# Altium PCB RTM_4SFP_3QSFP.PcbDoc (part 4 of 4) (continued)
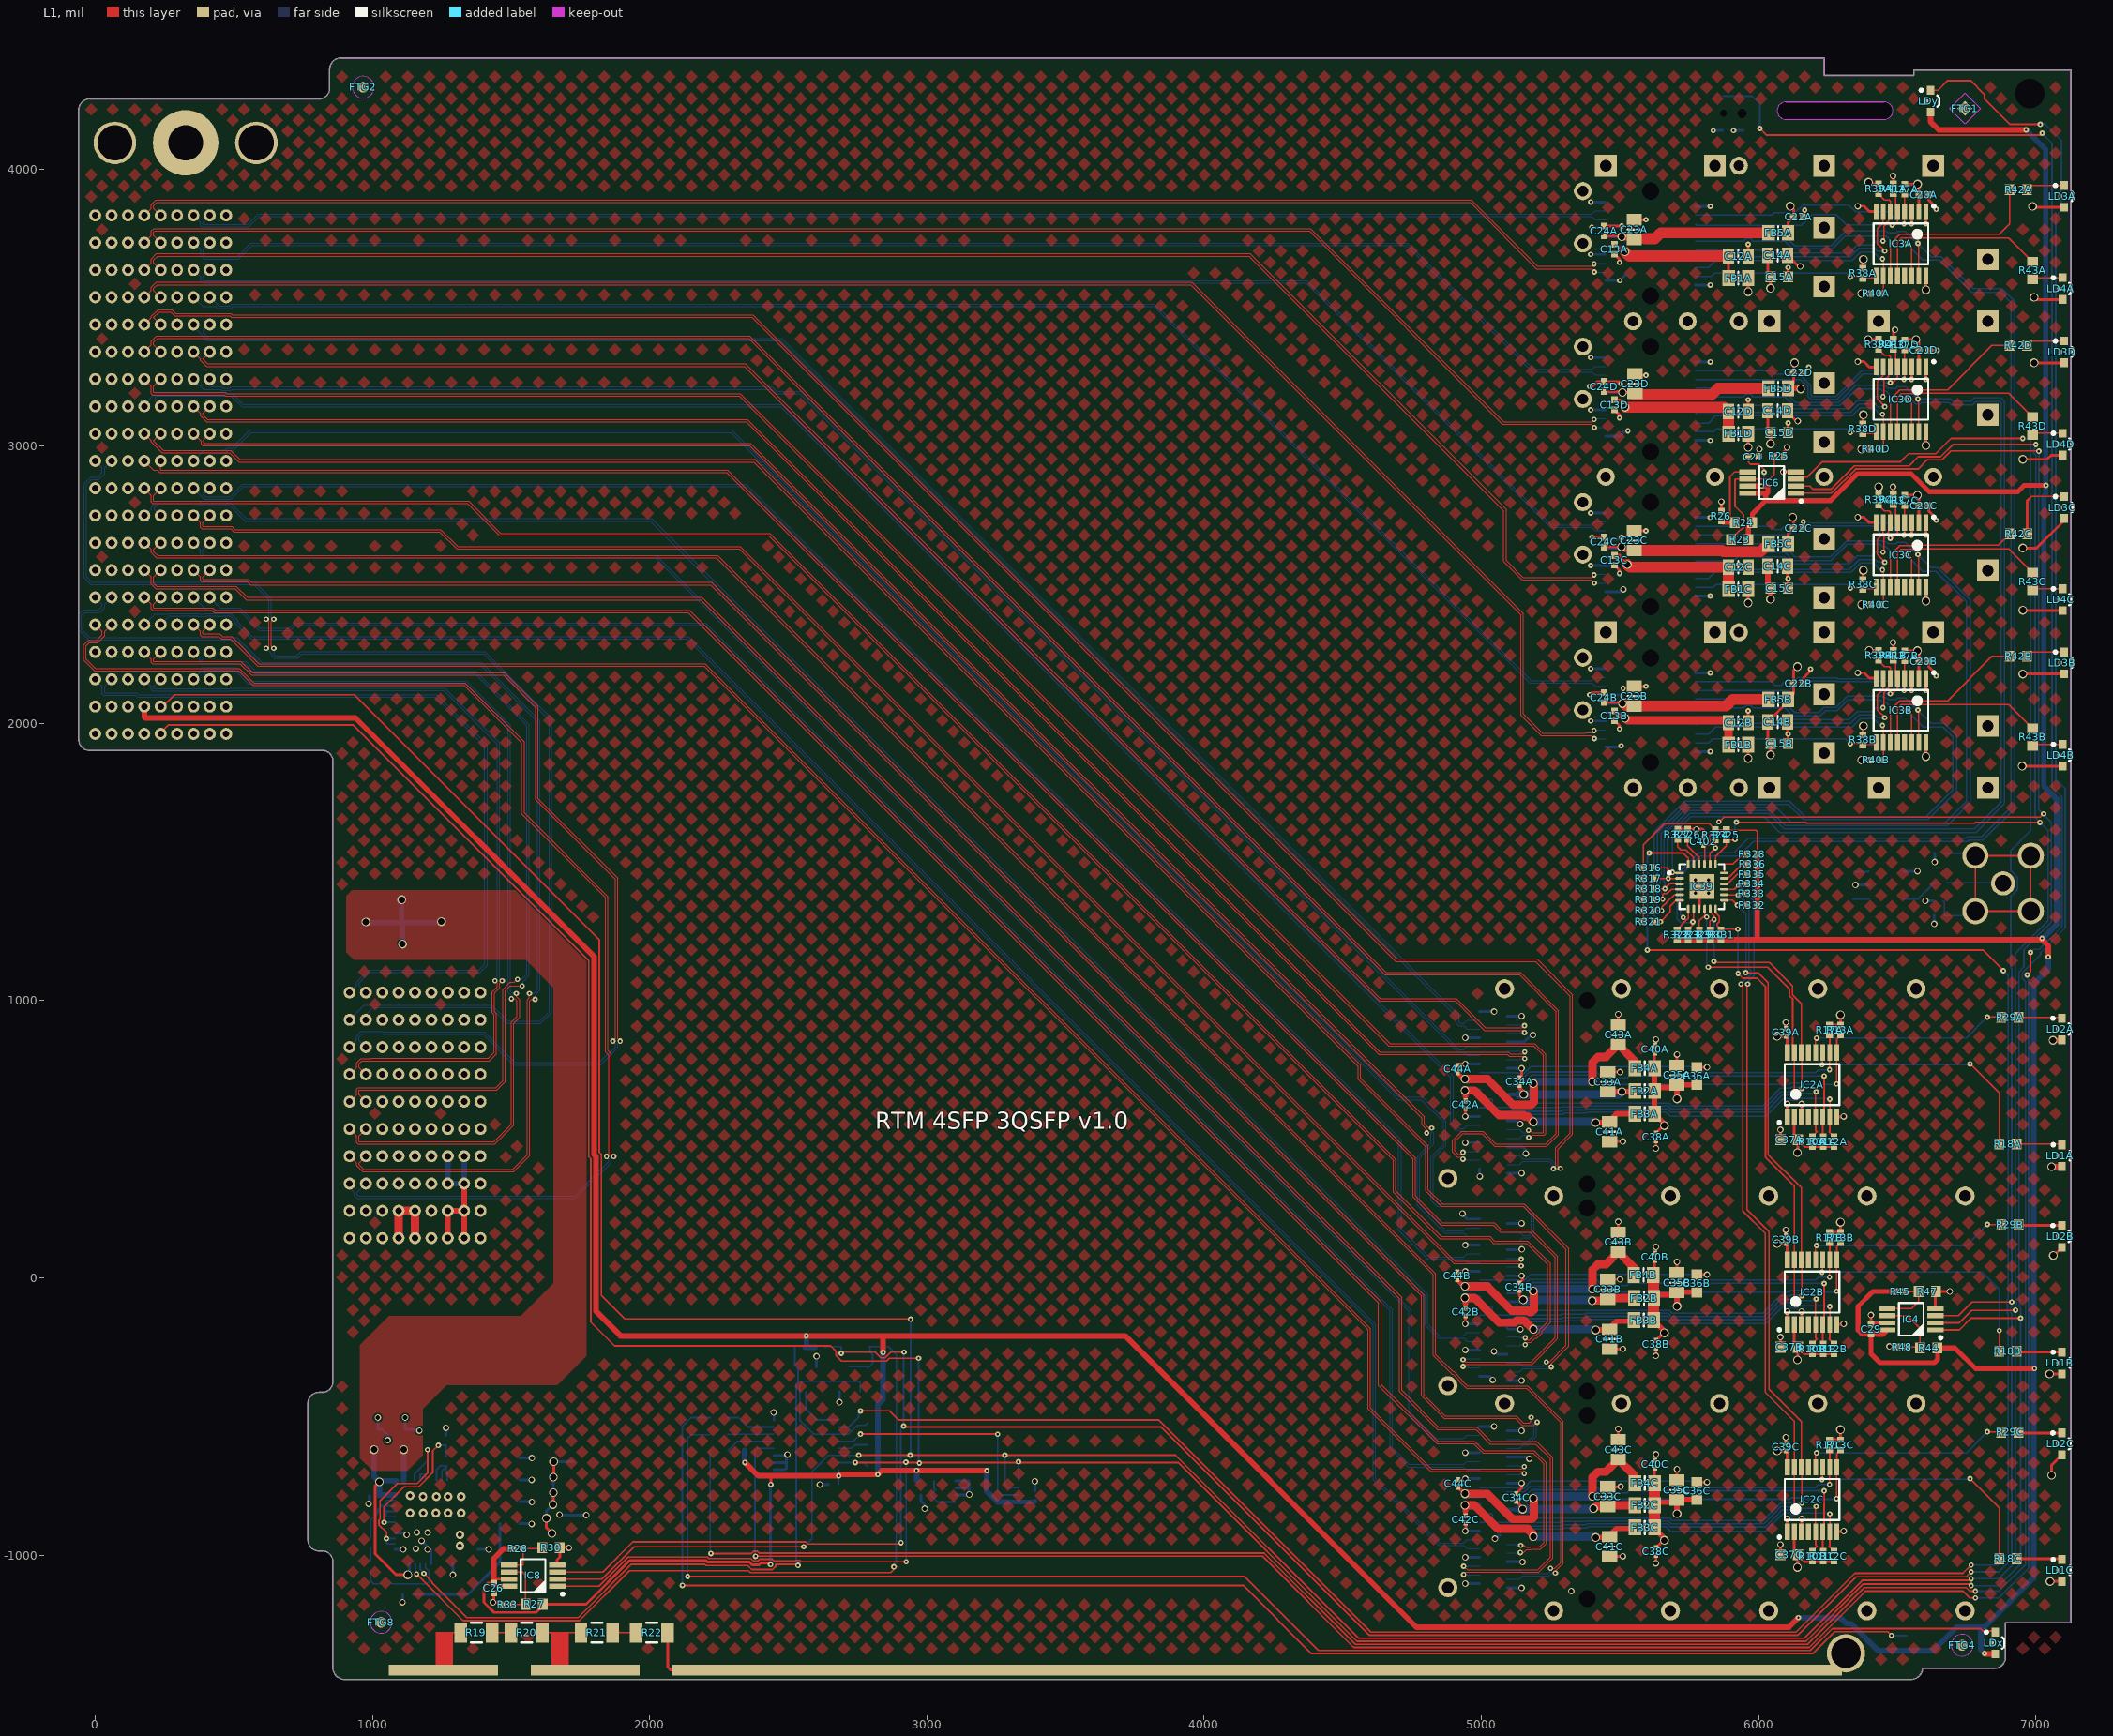
[diagram p0: L1 view]
## Nets (pads, with @x,y where several pads share a name; then routed paths per layer and width w, separated by ;. In a path a pad name is that pad's centre, name@x,y a point inside that pad or via, vN(x,y) a via of type N, cw(c..) or ccw(c..) an arc to the next point about the centre after c; other vN are vias at no path point) (continued)
  L1 w40: C23C.1@5551.18,2624.01 5867.73,2624.01 5872.43,2619.31 6002.27,2619.31 6002.27,2619.49 6007.28,2619.49 FB5C.2@6035.43,2647.64
  L4 w10: CON1C.16@5448.83,2632.87 v3@5504.63,2632.87 ; v3@5504.63,2636.81 v3(5505.54,2636.81)
SFP_VCCTD: C23D.1 C24D.1 CON1D.16 FB5D.2 | length 668.2
  L1 w10: C24D.1@5442.91,3197.83 5504.97,3197.83 v3(5509,3193.8) 5549.72,3193.8 C23D.1@5553.57,3189.96
  L1 w40: C23D.1@5551.18,3185.04 5553.57,3185.04 5829.84,3185.04 5853.46,3208.66 FB5D.2@6035.43,3208.66
  L4 w10: CON1D.16@5448.83,3193.9 5448.92,3193.8 v3(5509,3193.8)
SMA_IO: C17.1 J3.1 | length 192.8
  L4 w6.64: C17.1@6678.54,1425.39 6868,1425.39 J3.1@6870.36,1423.03
TXDISABLEA: CON1A.3 IC3A.5 R41A.2 | length 877.5
  L1 w5: v1@6480.05,3798.06 6481.56,3798.06 6483.85,3800.35 6492.28,3800.35 6500.99,3809.06 IC3A.5@6500.99,3846.46 6494.63,3852.82 6494.63,3902.06 R41A.2@6486.17,3910.51
  L4 w5: CON1A.3@5771.66,3802.17 5777.07,3796.75 6153.83,3796.75 6193.34,3836.26 6279.12,3836.26 6317.31,3798.06 v1(6481.7,3798.06)
TXDISABLEB: CON1B.3 IC3B.5 R41B.2 | length 889
  L1 w5: v1@6477.36,2105.41 6476.81,2105.41 v1(6475.14,2107.08) ; R41B.2@6486.17,2227.44 6494.63,2218.99 6494.63,2169.74 IC3B.5@6500.99,2163.38 6500.99,2125.99 6483.58,2108.58 6475.14,2108.58 v1@6473.64,2108.58 ; v1@6473.64,2108.58 v1(6475.14,2107.08) ; v1@6473.64,2108.58 6472.14,2107.08 v1(6475.14,2107.08)
  L4 w5: CON1B.3@5771.66,2119.09 6109.75,2119.09 6143.84,2153.18 6279.12,2153.18 6281.71,2150.59 6412.54,2150.59 6456.05,2107.08 v1(6475.14,2107.08)
TXDISABLEC: CON1C.3 IC3C.5 R41C.2 | length 888.7
  L1 w5: v1@6477.36,2666.43 6476.81,2666.43 v1(6475.14,2668.1) ; R41C.2@6486.17,2788.46 6494.63,2780.01 6494.63,2730.77 IC3C.5@6500.99,2724.41 6500.99,2687.01 6483.58,2669.6 6475.14,2669.6 v1@6473.64,2669.6 ; v1@6473.64,2669.6 v1(6475.14,2668.1) ; v1@6473.64,2669.6 6472.14,2668.1 v1(6475.14,2668.1)
  L4 w5: CON1C.3@5771.66,2680.12 6109.75,2680.12 6129.96,2700.33 6149,2700.33 6149.67,2699.66 6180.2,2699.66 6193.75,2713.21 6410.94,2713.21 6456.05,2668.1 v1(6475.14,2668.1)
TXDISABLED: CON1D.3 IC3D.5 R41D.2 | length 958
  L1 w5: v1@6477.36,3227.46 6476.81,3227.46 v1(6475.14,3229.12) ; R41D.2@6486.17,3349.49 6494.63,3341.04 6494.63,3291.79 IC3D.5@6500.99,3285.43 6500.99,3248.03 6483.58,3230.63 6475.14,3230.62 v1@6473.64,3230.62 ; v1@6473.64,3230.62 v1(6475.14,3229.12) ; v1@6473.64,3230.62 6472.14,3229.12 v1(6475.14,3229.12)
  L4 w5: CON1D.3@5771.66,3241.14 6150.73,3241.14 6177.36,3214.52 6177.36,3179.92 6188.78,3168.49 6283.68,3168.49 6376.54,3261.36 6423.82,3261.36 6456.05,3229.12 v1(6475.14,3229.12)
TXFAULTA: CON1A.2 IC3A.4 R37A.1 | length 905
  L1 w5: v1(6524.61,3802.09) 6526.58,3804.05 IC3A.4@6526.58,3846.46 6526.58,3907.36 R37A.1@6527.52,3908.31
  L4 w5: CON1A.2@5771.66,3833.66 6047.28,3833.66 6056.86,3843.25 6103.82,3843.25 6105.32,3841.75 6130.53,3841.75 6158.97,3870.19 6325.06,3870.19 6349.99,3845.26 6467.88,3845.26 6511.05,3802.09 v1(6524.61,3802.09)
TXFAULTB: CON1B.2 IC3B.4 R37B.1 | length 895.3
  L1 w5: v1(6524.61,2119.01) 6526.58,2120.98 IC3B.4@6526.58,2163.38 6526.58,2224.29 R37B.1@6527.52,2225.23
  L4 w5: CON1B.2@5771.66,2150.59 6047.28,2150.59 6060.05,2137.82 6081.69,2137.82 6096.05,2152.18 6127.28,2152.18 6139.28,2164.18 6283.68,2164.18 6286.27,2161.59 6417.1,2161.59 6426.5,2152.18 6477.88,2152.18 6511.05,2119.01 v1(6524.61,2119.01)
TXFAULTC: CON1C.2 IC3C.4 R37C.1 | length 896.6
  L1 w5: v1(6524.61,2680.04) 6526.58,2682.01 IC3C.4@6526.58,2724.41 6526.58,2785.32 R37C.1@6527.52,2786.26
  L4 w5: CON1C.2@5771.66,2711.61 6047.28,2711.61 6060.05,2698.84 6081.69,2698.84 6096.05,2713.21 6150.27,2713.21 6153.82,2709.66 6168.18,2709.66 6181.73,2723.21 6467.88,2723.21 6511.05,2680.04 v1(6524.61,2680.04)
TXFAULTD: CON1D.2 IC3D.4 R37D.1 | length 971.9
  L1 w5: v1(6524.61,3241.06) 6526.58,3243.03 IC3D.4@6526.58,3285.43 6526.58,3346.34 R37D.1@6527.52,3347.28
  L4 w5: CON1D.2@5771.66,3272.64 6047.28,3272.64 6060.05,3259.87 6147.01,3259.87 6188.36,3218.52 6188.36,3184.47 6193.34,3179.49 6279.12,3179.49 6373.86,3274.23 6477.88,3274.23 6511.05,3241.06 v1(6524.61,3241.06)
pads on no net: CON1A.MTG1 CON1A.MTG2 CON1B.MTG1 CON1B.MTG2 CON1C.MTG1 CON1C.MTG2 CON1D.MTG1 CON1D.MTG2 FTG1.1 FTG2.FTG2 FTG3.1 FTG4.FTG2 FTG5.1 FTG6.FTG2 FTG7.1 FTG8.FTG2 IC1.23 IC1.24 IC1.25 IC1.27 IC1.28 IC1.29 IC1.30 IC1.32 IC1.33 IC1.34 IC1.40 IC1.41 IC2A.4 IC2A.13 IC2B.4 IC2B.13 IC2C.4 IC2C.13 IC3A.13 IC3B.13 IC3C.13 IC3D.13 J2.A4 J2.B4 J2.E1 J2.F2 J4.A7 J4.A8 J4.B7 J5A.MTG1 J5A.MTG2 J5B.MTG1 J5B.MTG2 J5C.MTG1 J5C.MTG2 J8.A9 J8.A10 J8.B9 J8.B10 J8.C1 J8.C2 J8.C3 J8.C4 J8.C5 J8.C6 J8.C7 J8.C8 J8.D1 J8.D2 J8.D3 J8.D4 J8.D5 J8.D6 J8.D7 J8.D8 J8.E1 J8.E2 J8.E3 J8.E4 J8.E5 J8.E6 J8.F1 J8.F2 J8.F3 J8.F4 J8.F5 J8.F6 LD1A.3 LD1B.3 LD1C.3 LD2A.3 LD2B.3 LD2C.3 LD3A.3 LD3B.3 LD3C.3 LD3D.3 LD4A.3 LD4B.3 LD4C.3 LD4D.3 LDx.3 LDy.3 PB1.5 PB1.10
copper on no net: | length 3.9
  L1 w11.81: -1387.79,2080.71 -1387.79,2084.65
  other v4: 1135.26,-847.82 1183.28,-847.82 1228.35,-847.82 1273.27,-847.82 1320.51,-847.82 1182.48,-788.76 1229.96,-788.76 1273.27,-788.76 1320.51,-788.76 1135.26,-785.02

## Polygon pours and split planes (outlines as drawn)
no net on L4 "balancing_top" (solid, pour order 16): 6235.2,4423.4 845.5,4423.4 845.5,4256 -60,4256 -60,1927.3 845.5,1927.3 845.5,-1423.1 6589.6,-1423.1 6589.6,-1383.7 7126.95,-1373.09 7126.95,4360.4 6235.2,4360.4
P3V3 on L4 "Signal Layer 1-No Net 1" (solid, remove dead copper, pour order 4): 1294.91,-763.91 1343.87,-763.91 1349.04,-769.08 1349.04,-882.22 1362.62,-895.8 1407.86,-895.8 1418.94,-906.87 1418.94,-946 1493.74,-946 1495.71,-947.96 1810.92,-947.96 1832.32,-926.56 1832.32,-552.59 1812.59,-532.86 1318.53,-532.86 1294.91,-556.48
NetF1_1 on L4 "Signal Layer 1-No Net 1" (solid, pour order 0): -50.26,2094.55 1097.38,2094.55 1338.58,1853.35 1338.58,1522.85 1296.05,1480.31 958.2,1480.31 905.51,1533 905.51,1900.02 871.74,1933.79 -49.93,1933.79 -59.05,1942.91 -59.05,2086.61
no net on L1 "balancing_top" (solid, pour order 14): 6235.2,4423.4 845.5,4423.4 845.5,4256 -60,4256 -60,1927.3 845.5,1927.3 845.5,-1423.1 6589.6,-1423.1 6589.6,-1383.7 7126.95,-1373.09 7126.95,4360.4 6235.2,4360.4
P12V0 on L1 "Signal Layer 1-No Net 1" (solid, pour order 2): 925.2,1397.64 1535.43,1397.64 1771.65,1161.42 1771.65,-281.5 1667.71,-385.44 1268.15,-385.44 1181.1,-472.49 1181.1,-640.49 1124.99,-696.61 1001.97,-696.61 954.73,-649.36 954.73,-242.13 1059.05,-137.8 1535.43,-137.8 1653.54,-19.69 1653.54,1046.95 1553.05,1147.44 932.77,1147.44 905.51,1174.7 905.51,1377.95
P3V3 on P2 (split plane): 214 vertices, not listed, extent 786.81,-1427.8 7106.85,4380.51
P3V3 on P2 (split plane): 5750.81,1760.38 5514.51,1524.08 5513.4,1522.42 5513.02,1520.47 5513.02,1207.87 5513.4,1205.92 5514.51,1204.27 5581.9,1136.87 5581.9,-1095.48 5563.38,-1114 4962.68,-1114 4039.06,-190.37 4037.4,-189.27 4035.45,-188.88 877.37,-188.88 877.36,1864.17 877.32,1864.67 877.34,1865.16 877.15,1868.95 876.94,1870.42 876.79,1871.9 875.32,1879.27 874.73,1881.19 874.17,1883.03 871.29,1889.97 870.31,1891.82 869.44,1893.44 869.44,1893.45 865.26,1899.69 863.89,1901.36 862.77,1902.73 862.76,1902.73 857.45,1908.04 855.98,1909.25 854.41,1910.54 848.16,1914.72 846.36,1915.68 844.69,1916.57 837.75,1919.45 835.97,1919.99 833.99,1920.59 826.62,1922.06 825.15,1922.21 823.69,1922.43 819.93,1922.62 819.43,1922.59 818.93,1922.64 -19.66,1922.64 -21.7,1922.64 -25.61,1923.42 -29.3,1924.95 -32.62,1927.17 -35.44,1930 -37.65,1933.32 -39.18,1937 -39.96,1940.92 -39.96,1942.91 -39.96,4212.57 -39.96,4212.58 -39.96,4214.6 -39.18,4218.51 -37.65,4222.2 -35.43,4225.52 -32.61,4228.34 -29.29,4230.56 -25.61,4232.09 -21.69,4232.87 -19.7,4232.87 807.09,4232.87 807.58,4232.92 808.08,4232.9 811.86,4233.08 813.32,4233.3 814.8,4233.45 822.17,4234.92 824.29,4235.56 825.94,4236.06 832.88,4238.94 834.73,4239.93 836.36,4240.8 842.61,4244.98 844.36,4246.42 845.65,4247.48 850.97,4252.8 852.47,4254.63 853.47,4255.84 857.64,4262.09 858.69,4264.05 859.5,4265.57 862.37,4272.52 862.98,4274.52 863.52,4276.28 863.52,4276.29 864.98,4283.66 865.13,4285.13 865.35,4286.59 865.53,4290.35 865.51,4290.85 865.55,4291.34 865.55,4360.21 865.55,4362.23 866.33,4366.15 867.86,4369.83 870.08,4373.15 872.9,4375.98 876.22,4378.2 879.9,4379.73 883.82,4380.51 885.81,4380.51 5750.81,4380.51
NetJ2_e2 on P3 (split plane): 380.99,2072.17 380.99,2034 381.15,2033.23 381.58,2032.58 413.58,2000.58 414.23,2000.15 415,1999.99 416.17,1999.99 438.99,1977.17 438.99,1950.83 426.17,1938.01 398.83,1938.01 386.01,1950.83 386.01,1987 385.85,1987.77 385.68,1988.03 385.42,1988.42 329.01,2044.83 329.01,2083.17 332.83,2086.99 366.17,2086.99
GND on P3 (split plane): 308 vertices, not listed, extent -39.96,-1427.8 7106.85,4380.51

## Keep-outs
Keep-Out Layer:
  drawing of 14436 lines, arcs and shapes, not listed

## Other copper
L1:
  rectangle net ESD2: 1645.67,-1401.58 1708.66,-1277.56
  rectangle net ESD1: 1228.35,-1403.54 1291.34,-1277.56
  pour cut-out: 858.27,-1387.8 2086.61,-1387.8 2086.61,-1446.85 858.27,-1446.85
L4:
  rectangle net P12V0: 1073.45,-743.74 1093.13,-721.53
P2 (plane layer: these items are gaps in the copper):
  lines w10: 871.32,-193.98 4035.45,-193.98 4960.57,-1119.1 5565.49,-1119.1 5587,-1097.59 5587,1138.99 5518.11,1207.87 5518.11,1520.47 5755.91,1758.27 5755.91,4399.61
P3 (plane layer: these items are gaps in the copper):
  lines w3.94: 327,2044 327,2084 332,2089 367,2089 383,2073 383,2034 415,2002 417,2002 441,1978 441,1950 427,1936 398,1936 384,1950 384,1987 327,2044
Multi-Layer:
  circle w7.87: c-295.28,-1692.91 r59.06
  circle w7.87: c-295.28,-1692.91 r98.43
  circle w7.87: c-295.28,-1692.91 r59.06
  circle w7.87: c-295.28,-1692.91 r98.43
  circle w7.87: c-295.28,-1692.91 r59.06
  circle w7.87: c-295.28,-1692.91 r98.43
  circle w7.87: c-295.28,-1692.91 r59.06
  circle w7.87: c-295.28,-1692.91 r98.43
  circle w7.87: c-295.28,-1692.91 r59.06
  circle w7.87: c-295.28,-1692.91 r98.43
  circle w7.87: c-295.28,-1692.91 r59.06
  circle w7.87: c-295.28,-1692.91 r98.43
  circle w7.87: c-295.28,-1692.91 r59.06
  circle w7.87: c-295.28,-1692.91 r98.43
  circle w7.87: c-295.28,-1692.91 r59.06
  circle w7.87: c-295.28,-1692.91 r98.43
  circle w7.87: c-295.28,-1692.91 r59.06
  circle w7.87: c-295.28,-1692.91 r98.43
  circle w7.87: c-295.28,-1692.91 r59.06
  circle w7.87: c-295.28,-1692.91 r98.43
  circle w7.87: c-295.28,-1692.91 r59.06
  circle w7.87: c-295.28,-1692.91 r98.43
  circle w7.87: c-295.28,-1692.91 r59.06
  circle w7.87: c-295.28,-1692.91 r98.43
  circle w7.87: c-295.28,-1692.91 r59.06
  circle w7.87: c-295.28,-1692.91 r98.43
  circle w7.87: c-295.28,-1692.91 r59.06
  circle w7.87: c-295.28,-1692.91 r98.43
  circle w7.87: c-295.28,-1692.91 r59.06
  circle w7.87: c-295.28,-1692.91 r98.43
  circle w7.87: c-295.28,-1692.91 r59.06
  circle w7.87: c-295.28,-1692.91 r98.43
  circle w7.87: c-295.28,-1692.91 r59.06
  circle w7.87: c-295.28,-1692.91 r98.43
  circle w7.87: c-295.28,-1692.91 r59.06
  circle w7.87: c-295.28,-1692.91 r98.43
  circle w7.87: c-295.28,-1692.91 r59.06
  circle w7.87: c-295.28,-1692.91 r98.43
  circle w7.87: c-295.28,-1692.91 r98.43
  circle w7.87: c-295.28,-1692.91 r59.06
  circle w7.87: c-295.28,4685.04 r98.43
  circle w7.87: c-295.28,4685.04 r59.06
  circle w7.87: c-295.28,4685.04 r98.43
  circle w7.87: c-295.28,4685.04 r59.06
  circle w7.87: c-295.28,4685.04 r59.06
  circle w7.87: c-295.28,4685.04 r98.43
  circle w7.87: c-295.28,4685.04 r98.43
  circle w7.87: c-295.28,4685.04 r59.06
  circle w7.87: c-295.28,4685.04 r98.43
  circle w7.87: c-295.28,4685.04 r59.06
  circle w7.87: c-295.28,4685.04 r98.43
  circle w7.87: c-295.28,4685.04 r59.06
  circle w7.87: c-295.28,4685.04 r98.43
  circle w7.87: c-295.28,4685.04 r59.06
  circle w7.87: c-295.28,4685.04 r98.43
  circle w7.87: c-295.28,4685.04 r59.06
  circle w7.87: c-295.28,4685.04 r98.43
  circle w7.87: c-295.28,4685.04 r59.06
  circle w7.87: c-295.28,4685.04 r98.43
  circle w7.87: c-295.28,4685.04 r59.06
  circle w7.87: c-295.28,4685.04 r98.43
  circle w7.87: c-295.28,4685.04 r59.06
  circle w7.87: c-295.28,4685.04 r98.43
  circle w7.87: c-295.28,4685.04 r59.06
  circle w7.87: c-295.28,4685.04 r98.43
  circle w7.87: c-295.28,4685.04 r59.06
  circle w7.87: c-295.28,4685.04 r98.43
  circle w7.87: c-295.28,4685.04 r59.06
  circle w7.87: c-295.28,4685.04 r98.43
  circle w7.87: c-295.28,4685.04 r59.06
  circle w7.87: c-295.28,4685.04 r98.43
  circle w7.87: c-295.28,4685.04 r59.06
  circle w7.87: c-295.28,4685.04 r59.06
  circle w7.87: c-295.28,4685.04 r98.43
  circle w7.87: c-295.28,4685.04 r98.43
  circle w7.87: c-295.28,4685.04 r59.06
  circle w7.87: c-295.28,4685.04 r98.43
  circle w7.87: c-295.28,4685.04 r59.06
  circle w7.87: c-295.28,4685.04 r98.43
  circle w7.87: c-295.28,4685.04 r59.06
  circle w7.87: c-295.28,4685.04 r98.43
  circle w7.87: c-295.28,4685.04 r59.06
  circle w7.87: c-295.28,4685.04 r98.43
  circle w7.87: c-295.28,4685.04 r59.06
  circle w7.87: c-295.28,4685.04 r98.43
  circle w7.87: c-295.28,4685.04 r59.06
  circle w7.87: c-295.28,4685.04 r98.43
  circle w7.87: c-295.28,4685.04 r59.06
  circle w7.87: c-295.28,4685.04 r98.43
  circle w7.87: c-295.28,4685.04 r59.06
  circle w7.87: c-295.28,4685.04 r59.06
  circle w7.87: c-295.28,4685.04 r98.43
  circle w7.87: c-295.28,-1692.91 r59.06
  circle w7.87: c-295.28,-1692.91 r98.43
  lines w7.87: -433.07,-1692.91 -157.48,-1692.91 ; -433.07,-1692.91 -157.48,-1692.91 ; -433.07,-1692.91 -157.48,-1692.91 ; -433.07,-1692.91 -157.48,-1692.91 ; -433.07,-1692.91 -157.48,-1692.91 ; -433.07,-1692.91 -157.48,-1692.91 ; -433.07,-1692.91 -157.48,-1692.91 ; -433.07,-1692.91 -157.48,-1692.91 ; -433.07,-1692.91 -157.48,-1692.91 ; -433.07,-1692.91 -157.48,-1692.91 ; -433.07,-1692.91 -157.48,-1692.91 ; -433.07,-1692.91 -157.48,-1692.91 ; -433.07,-1692.91 -157.48,-1692.91 ; -433.07,-1692.91 -157.48,-1692.91 ; -433.07,-1692.91 -157.48,-1692.91 ; -433.07,-1692.91 -157.48,-1692.91 ; -433.07,-1692.91 -157.48,-1692.91 ; -433.07,-1692.91 -157.48,-1692.91 ; -433.07,-1692.91 -157.48,-1692.91 ; -433.07,-1692.91 -157.48,-1692.91 ; -433.07,-1692.91 -157.48,-1692.91 ; -433.07,4685.04 -157.48,4685.04 ; -433.07,4685.04 -157.48,4685.04 ; -433.07,4685.04 -157.48,4685.04 ; -433.07,4685.04 -157.48,4685.04 ; -433.07,4685.04 -157.48,4685.04 ; -433.07,4685.04 -157.48,4685.04 ; -433.07,4685.04 -157.48,4685.04 ; -433.07,4685.04 -157.48,4685.04 ; -433.07,4685.04 -157.48,4685.04 ; -433.07,4685.04 -157.48,4685.04 ; -433.07,4685.04 -157.48,4685.04 ; -433.07,4685.04 -157.48,4685.04 ; -433.07,4685.04 -157.48,4685.04 ; -433.07,4685.04 -157.48,4685.04 ; -433.07,4685.04 -157.48,4685.04 ; -433.07,4685.04 -157.48,4685.04 ; -433.07,4685.04 -157.48,4685.04 ; -433.07,4685.04 -157.48,4685.04 ; -433.07,4685.04 -157.48,4685.04 ; -433.07,4685.04 -157.48,4685.04 ; -433.07,4685.04 -157.48,4685.04 ; -433.07,4685.04 -157.48,4685.04 ; -433.07,4685.04 -157.48,4685.04 ; -433.07,4685.04 -157.48,4685.04 ; -433.07,4685.04 -157.48,4685.04 ; -433.07,4685.04 -157.48,4685.04 ; -295.27,-1830.71 -295.27,-1555.12 ; -295.27,-1830.71 -295.27,-1555.12 ; -295.27,-1830.71 -295.27,-1555.12 ; -295.27,-1830.71 -295.27,-1555.12 ; -295.27,-1830.71 -295.27,-1555.12 ; -295.27,-1830.71 -295.27,-1555.12 ; -295.27,-1830.71 -295.27,-1555.12 ; -295.27,-1830.71 -295.27,-1555.12 ; -295.27,-1830.71 -295.27,-1555.12 ; -295.27,-1830.71 -295.27,-1555.12 ; -295.27,-1830.71 -295.27,-1555.12 ; -295.27,-1830.71 -295.27,-1555.12 ; -295.27,-1830.71 -295.27,-1555.12 ; -295.27,-1830.71 -295.27,-1555.12 ; -295.27,-1830.71 -295.27,-1555.12 ; -295.27,-1830.71 -295.27,-1555.12 ; -295.27,-1830.71 -295.27,-1555.12 ; -295.27,-1830.71 -295.27,-1555.12 ; -295.27,-1830.71 -295.27,-1555.12 ; -295.27,-1830.71 -295.27,-1555.12 ; -295.27,-1830.71 -295.27,-1555.12 ; -295.27,4547.24 -295.27,4822.83 ; -295.27,4547.24 -295.27,4822.83 ; -295.27,4547.24 -295.27,4822.83 ; -295.27,4547.24 -295.27,4822.83 ; -295.27,4547.24 -295.27,4822.83 ; -295.27,4547.24 -295.27,4822.83 ; -295.27,4547.24 -295.27,4822.83 ; -295.27,4547.24 -295.27,4822.83 ; -295.27,4547.24 -295.27,4822.83 ; -295.27,4547.24 -295.27,4822.83 ; -295.27,4547.24 -295.27,4822.83 ; -295.27,4547.24 -295.27,4822.83 ; -295.27,4547.24 -295.27,4822.83 ; -295.27,4547.24 -295.27,4822.83 ; -295.27,4547.24 -295.27,4822.83 ; -295.27,4547.24 -295.27,4822.83 ; -295.27,4547.24 -295.27,4822.83 ; -295.27,4547.24 -295.27,4822.83 ; -295.27,4547.24 -295.27,4822.83 ; -295.27,4547.24 -295.27,4822.83 ; -295.27,4547.24 -295.27,4822.83 ; -295.27,4547.24 -295.27,4822.83 ; -295.27,4547.24 -295.27,4822.83 ; -295.27,4547.24 -295.27,4822.83 ; -295.27,4547.24 -295.27,4822.83 ; -295.27,4547.24 -295.27,4822.83

## Silkscreen, mask and mechanical layers (free items; w line width, h text height)
Top Overlay:
  text "RTM 4SFP 3QSFP v1.0" at 2812.99,537.4 h60
Bottom Overlay:
  region: -3211.81,-4611.42
  region: -3211.81,-4611.42
  region: -3211.81,-4611.42
  region: -3211.81,-4611.42
  text "RTM 4SFP 3QSFP v1.0" at 3921.26,673.23 h60
Top Solder:
  rectangle: 2086.62,-1446.85 6232.28,-1395.67
Mechanical 1:
  circle w3.94: c5933.07,4442.91 r19.68
  circle w3.94: c6011.81,4442.91 r19.68
  circle w3.94: c6011.81,4600.39 r19.68
  circle w3.94: c5933.07,4600.39 r19.68
  circle w3.94: c6070.87,4482.28 r7.87
  circle w3.94: c6070.87,4561.02 r7.87
  lines w1.97: 6236.15,4336.65 6560.55,4336.65 6560.55,4356.35 7125.95,4356.35 7125.95,-1242.15 6889.75,-1242.15 6889.75,-1368.16 ; 6551.18,-1446.85 897.64,-1446.85 cw(c897.64,-1407.48) 858.27,-1407.48 858.27,-1023.62 ccw(c818.9,-1023.62) 818.9,-984.25 807.09,-984.25 cw(c807.09,-944.88) 767.72,-944.88 767.72,-452.76 cw(c807.09,-452.76) 807.09,-413.39 818.9,-413.39 ccw(c818.9,-374.02) 858.27,-374.02 858.27,1864.17 ccw(c818.9,1864.17) 818.9,1903.54 -19.68,1903.54 cw(c-19.68,1942.91) -59.05,1942.91 -59.05,4212.6 cw(c-19.69,4212.6) -19.69,4251.97 807.09,4251.97 ccw(c807.09,4291.34) 846.46,4291.34 846.46,4360.24 cw(c885.83,4360.24) 885.83,4399.61 6236.22,4399.61 6236.22,4336.57 6561.02,4336.57 6561.02,4356.26 ; 6551.32,-1446.9 ccw(c6551.32,-1407.53) 6590.69,-1407.53 6850.53,-1407.53 ccw(c6850.53,-1368.16) 6889.9,-1368.16 ; 6098.56,4179.09 cw(c6098.56,4210.59) 6098.56,4242.08 6452.89,4242.08 cw(c6452.89,4210.59) 6452.89,4179.09 6098.56,4179.09
  lines w3.94: 5933.07,4462.6 5933.07,4466.53 5933.07,4482.28 6062.99,4482.28 ; 5933.07,4580.71 5933.07,4561.02 6062.99,4561.02 ; 6011.81,4462.6 6011.81,4482.28 ; 6011.81,4561.02 6011.81,4580.71 ; 6078.74,4557.09 6102.36,4498.03
  text "D" at 5925.2,4588.58 h31.5
  text "B" at 6003.94,4588.58 h31.5
  text "C" at 5925.2,4435.04 h31.5
  text "A" at 6003.94,4435.04 h31.5
Mechanical 8:
  lines w3.94: 7279.54,-1458.54 7279.54,1742.36
Mechanical 10:
  lines w10: 8365,905 8371,905 8547,1081 ; 8390,1067 8390,1024 8581,833 ; 8419,839 8593,1013 8607,1013 ; 8450,1121 8450,1107 8670,887
Mechanical 13:
  text ".Layer_Name" at 39.37,5431.1 h59.06
  text ".Project_LPNr" at 39.37,5312.99 h59.06
Measurement Layer:
  lines w3.94: -1043.31,0 8602.36,0 ; 0,-2362.21 0,5275.59
  text "J1" at -120.28,5158.07 h59.06
  text "J1" at 200.78,-2104.33 h59.06
Drill Drawing:
  lines w1.97: 6551.18,-1446.85 897.64,-1446.85 cw(c897.64,-1407.48) 858.27,-1407.48 ; 6551.32,-1446.9 ccw(c6551.32,-1407.53) 6590.69,-1407.53 ; 6561.02,4356.26 6561.02,4336.57 6236.22,4336.57 6236.22,4399.61 885.83,4399.61 ccw(c885.83,4360.24) 846.46,4360.24 846.46,4291.34 cw(c807.09,4291.34) 807.09,4251.97 -19.68,4251.97 ccw(c-19.69,4212.6) -59.06,4212.6 -59.05,1942.91 ccw(c-19.68,1942.91) -19.68,1903.54 ; 6590.55,-1407.48 6850.39,-1407.48 ccw(c6850.39,-1368.11) 6889.76,-1368.11 ; -19.68,1903.54 ccw(c-19.68,1903.54) -19.68,1903.54 ; -19.68,1903.54 59.06,1903.54 cw(c59.06,1883.86) 59.06,1864.17 -9.05,1864.17 ccw(c-9.05,1814.17) -59.05,1814.17 -59.05,1810.08 -59.05,-1396.85 ccw(c-9.05,-1396.85) -9.05,-1446.85 736.22,-1446.85 768.9,-1446.85 ccw(c768.9,-1396.85) 818.9,-1396.85 ; 811.02,-1023.62 cw(c811.02,-1031.5) 818.9,-1031.5 ; 811.02,-1023.62 ccw(c811.02,-1023.62) 811.02,-1023.62 ; 811.02,-1023.62 807.09,-1023.62 cw(c807.09,-944.88) 728.35,-944.88 728.35,-456.69 728.35,-452.76 cw(c807.09,-452.76) 807.09,-374.02 811.02,-374.02 ccw(c811.02,-366.14) 818.9,-366.14 818.9,-208.66 cw(c838.58,-208.66) 858.27,-208.66 858.27,-374.02 cw(c818.9,-374.02) 818.9,-413.39 807.09,-413.39 ccw(c807.09,-452.76) 767.72,-452.76 767.72,-944.88 ccw(c807.09,-944.88) 807.09,-984.25 818.9,-984.25 cw(c818.9,-1023.62) 858.27,-1023.62 858.27,-1248.03 cw(c838.58,-1248.03) 818.9,-1248.03 818.9,-1031.5 ; 818.9,-1396.85 ccw(c818.9,-1396.85) 818.9,-1396.85 ; 818.9,-1396.85 818.9,-1326.77 cw(c838.58,-1326.77) 858.27,-1326.77 858.27,-1407.48 ; 818.9,-1031.5 ccw(c818.9,-1031.5) 818.9,-1031.5 ; 818.9,1903.54 cw(c818.9,1864.17) 858.27,1864.17 858.27,1807.09 cw(c838.58,1807.09) 818.9,1807.09 818.9,1856.3 ccw(c811.02,1856.3) 811.02,1864.17 137.8,1864.17 cw(c137.8,1883.86) 137.8,1903.54 818.9,1903.54 ; 818.9,1903.54 ccw(c818.9,1903.54) 818.9,1903.54 ; 858.27,-1407.48 ccw(c858.27,-1407.48) 858.27,-1407.48 ; 818.9,-129.92 ccw(c838.58,-129.92) 858.27,-129.92 858.27,1078.74 ccw(c838.58,1078.74) 818.9,1078.74 818.9,-129.92 ; 818.9,1157.48 ccw(c838.58,1157.48) 858.27,1157.48 858.27,1728.35 ccw(c838.58,1728.35) 818.9,1728.35 818.9,1157.48 ; 6098.56,4179.09 cw(c6098.56,4210.59) 6098.56,4242.08 6452.89,4242.08 cw(c6452.89,4210.59) 6452.89,4179.09 6098.56,4179.09
Mechanical 30:
  circle w7.87: c11246.76,6901.61 r59.06
  circle w7.87: c11246.76,6901.61 r98.43
  circle w7.87: c-295.28,4685.04 r59.06
  circle w7.87: c-295.28,4685.04 r98.43
  circle w7.87: c-295.28,-1692.91 r98.43
  circle w7.87: c-295.28,-1692.91 r59.06
  lines w7.87: -433.07,-1692.91 -157.48,-1692.91 ; -433.07,4685.04 -157.48,4685.04 ; -295.27,-1830.71 -295.27,-1555.12 ; -295.27,4547.24 -295.27,4822.83 ; 8454.21,303.07 8729.8,303.07 ; 11246.76,6763.81 11246.76,7039.4
Mechanical 31:
  circle w7.87: c11246.76,6901.61 r59.06
  circle w7.87: c11246.76,6901.61 r98.43
  circle w7.87: c-295.28,4685.04 r59.06
  circle w7.87: c-295.28,4685.04 r98.43
  circle w7.87: c-295.28,-1692.91 r98.43
  circle w7.87: c-295.28,-1692.91 r59.06
  lines w7.87: -433.07,-1692.91 -157.48,-1692.91 ; -433.07,4685.04 -157.48,4685.04 ; -295.27,-1830.71 -295.27,-1555.12 ; -295.27,4547.24 -295.27,4822.83 ; 8454.21,303.07 8729.8,303.07 ; 11246.76,6763.81 11246.76,7039.4

## Dimensions
0,5275.59 to 7070.87,2866.14 on Measurement Layer
8602.36,0 to 845.46,4360.21 on Measurement Layer
8602.36,0 to 885.83,4400.61 on Measurement Layer
8602.36,0 to 885.8,4400.61 on Measurement Layer
8602.36,0 to 6237.22,4399.61 on Measurement Layer
8602.36,0 to 6929.13,-1242.13 on Measurement Layer
8602.36,0 to 6890.9,-1368.16 on Measurement Layer
8602.36,0 to 7126.95,-1242.15 on Measurement Layer
8602.36,0 to 7125.95,-1243.15 on Measurement Layer
-1043.31,0 to 6559.55,4356.35 on Measurement Layer
0,-2362.21 to 6561.02,4356.26 on Measurement Layer
8602.36,0 to 6561.02,4336.57 on Measurement Layer
8602.36,0 to 6850.53,-1407.53 on Measurement Layer
0,-2362.21 to 6590.69,-1407.53 on Measurement Layer
0,5275.59 to -59.06,4212.6 on Measurement Layer
0,-2362.21 to 6787.4,-998.03 on Measurement Layer
0,-2362.21 to 767.72,-944.88 on Measurement Layer
-1043.31,0 to 807.09,-413.39 on Measurement Layer
8602.36,0 to 6236.22,4399.61 on Measurement Layer
-1043.31,0 to -19.69,4251.97 on Measurement Layer
8602.36,0 to 7086.66,4356.26 on Measurement Layer
8602.36,0 to 7070.87,322.83 on Measurement Layer
8602.36,0 to 6551.18,-1446.85 on Measurement Layer
-1043.31,0 to -19.68,1903.54 on Measurement Layer
-1043.31,0 to 897.64,-1446.85 on Measurement Layer
-1043.31,0 to 807.09,-984.25 on Measurement Layer
0,5275.59 to 6098.56,4242.08 on Measurement Layer
0,5275.59 to 846.46,4360.24 on Measurement Layer
0,5275.59 to 6475.17,4188.32 on Measurement Layer
0,5275.59 to 6236.22,4399.61 on Measurement Layer
0,5275.59 to 6237.22,4399.61 on Measurement Layer
0,-2362.21 to 6889.76,-1281.5 on Measurement Layer
0,1962.6 to -1043.31,0 on Measurement Layer
807.09,4291.34 to 909.45,4120.08 on Measurement Layer
-19.68,1942.91 to -177.65,1784.95 on Measurement Layer
6551.32,-1407.53 to 6547.24,-1580.71 on Measurement Layer
6850.39,-1368.11 to 7004.31,-1522.03 on Measurement Layer
6452.89,4210.59 to 6700.13,4457.82 on Measurement Layer
885.83,4360.24 to 976.38,4498.03 on Measurement Layer
7029.53,-59.06 to 6236.22,4399.61 on Measurement Layer
7029.53,224.41 to 6236.22,4399.61 on Measurement Layer
7029.53,4019.69 to 6236.22,4399.61 on Measurement Layer
7029.53,3744.09 to 6236.22,4399.61 on Measurement Layer
7029.53,3468.5 to 6236.22,4399.61 on Measurement Layer
7029.53,3192.91 to 6236.22,4399.61 on Measurement Layer
6835.65,-1126.99 to -19.71,4252.97 on Measurement Layer

## Text inside footprints (layer, text, board x,y; h text height)
Cage1: Drill Drawing "PRESS-FIT TECHNOLOGY" at 6859.26,184.06 h39.37 r90; Drill Drawing "23x diam. 1.05mm +/-0.05" at 6913.79,261.81 h39.37 r90; Mechanical 8 "Component and Trace Keepout" at 6109.68,556.1 h59.06 r90; Mechanical 8 "(Exept Chassis Ground)" at 6219.69,433.07 h59.06 r90
Cage2: Drill Drawing "20x diam. 0.95mm +/-0.05" at 6421.26,1960.63 h39.37 r270; Drill Drawing "26x diam. 1.05mm +/-0.05" at 6503.15,1956.69 h39.37 r270; Drill Drawing "PRESS-FIT TECHNOLOGY" at 6328.94,2066.93 h39.37 r270
J1: Mechanical 8 "PCB Edge" at -112.99,3959.65 h39.37 r270
J2: Bottom Overlay "A1" at -116.14,1962.6 h43.31 r270; Bottom Overlay "A10" at -116.14,2769.68 h43.31 r270; Drill Drawing "PRESS-FIT TECHNOLOGY" at 519.68,2104.33 h39.37 r270; Drill Drawing "diam. 0.6mm +0.06 -0" at -120.08,2086.61 h39.37 r270; Mechanical 14 "A1" at -116.14,1962.6 h43.31 r270; Mechanical 14 "A10" at -116.14,2769.68 h43.31 r270; Mechanical 8 "PCB Edge" at -112.8,2285.43 h39.37 r270
J4: Bottom Overlay "A1" at -116.14,2946.85 h43.31 r270; Bottom Overlay "A10" at -116.14,3753.94 h43.31 r270; Drill Drawing "PRESS-FIT TECHNOLOGY" at 519.68,3088.58 h39.37 r270; Drill Drawing "diam. 0.6mm +0.06 -0" at -120.08,3070.87 h39.37 r270; Mechanical 14 "A1" at -116.14,2946.85 h43.31 r270; Mechanical 14 "A10" at -116.14,3753.94 h43.31 r270; Mechanical 8 "PCB Edge" at -112.8,3269.69 h39.37 r270
J5A: Bottom Overlay "38" at 4917.33,944.88 h39.37; Bottom Overlay "20" at 4917.33,377.95 h39.37; Bottom Overlay "1" at 5169.3,929.13 h39.37; Mechanical 14 "1" at 5169.3,929.13 h39.37; Mechanical 14 "20" at 4917.33,377.95 h39.37; Mechanical 14 "38" at 4917.33,944.88 h39.37
J5B: Bottom Overlay "38" at 4917.33,196.85 h39.37; Bottom Overlay "20" at 4917.33,-370.08 h39.37; Bottom Overlay "1" at 5169.3,181.1 h39.37; Mechanical 14 "1" at 5169.3,181.1 h39.37; Mechanical 14 "20" at 4917.33,-370.08 h39.37; Mechanical 14 "38" at 4917.33,196.85 h39.37
J5C: Bottom Overlay "38" at 4917.33,-551.18 h39.37; Bottom Overlay "20" at 4917.33,-1118.11 h39.37; Bottom Overlay "1" at 5169.3,-566.93 h39.37; Mechanical 14 "1" at 5169.3,-566.93 h39.37; Mechanical 14 "20" at 4917.33,-1118.11 h39.37; Mechanical 14 "38" at 4917.33,-551.18 h39.37
J8: Bottom Overlay "1" at 1454.72,1006.89 h47.24; Bottom Overlay "10" at 1509.84,119.09 h47.24; Drill Drawing "PRESS-FIT TECHNOLOGY" at 828.15,242.13 h39.37 r270; Drill Drawing "diam. 0.6mm +/-0.05" at 764.76,257.87 h39.37 r270; Mechanical 14 "1" at 1454.72,1006.89 h47.24; Mechanical 14 "10" at 1509.84,119.09 h47.24; Mechanical 8 "PCB EDGE" at 790.16,390.75 h47.24 r270